# Altium PCB 智能马桶综合检测台V1.0.PcbDoc (part 4 of 10)
Units mil, origin at the board's own origin, x right, y up, seen from the top; angles counter-clockwise.
Board outline 8070.87 x 6102.36 mil, 2 copper layers (Top Layer, Bottom Layer); 199 components, 169 nets, 738 pads, 77 vias.
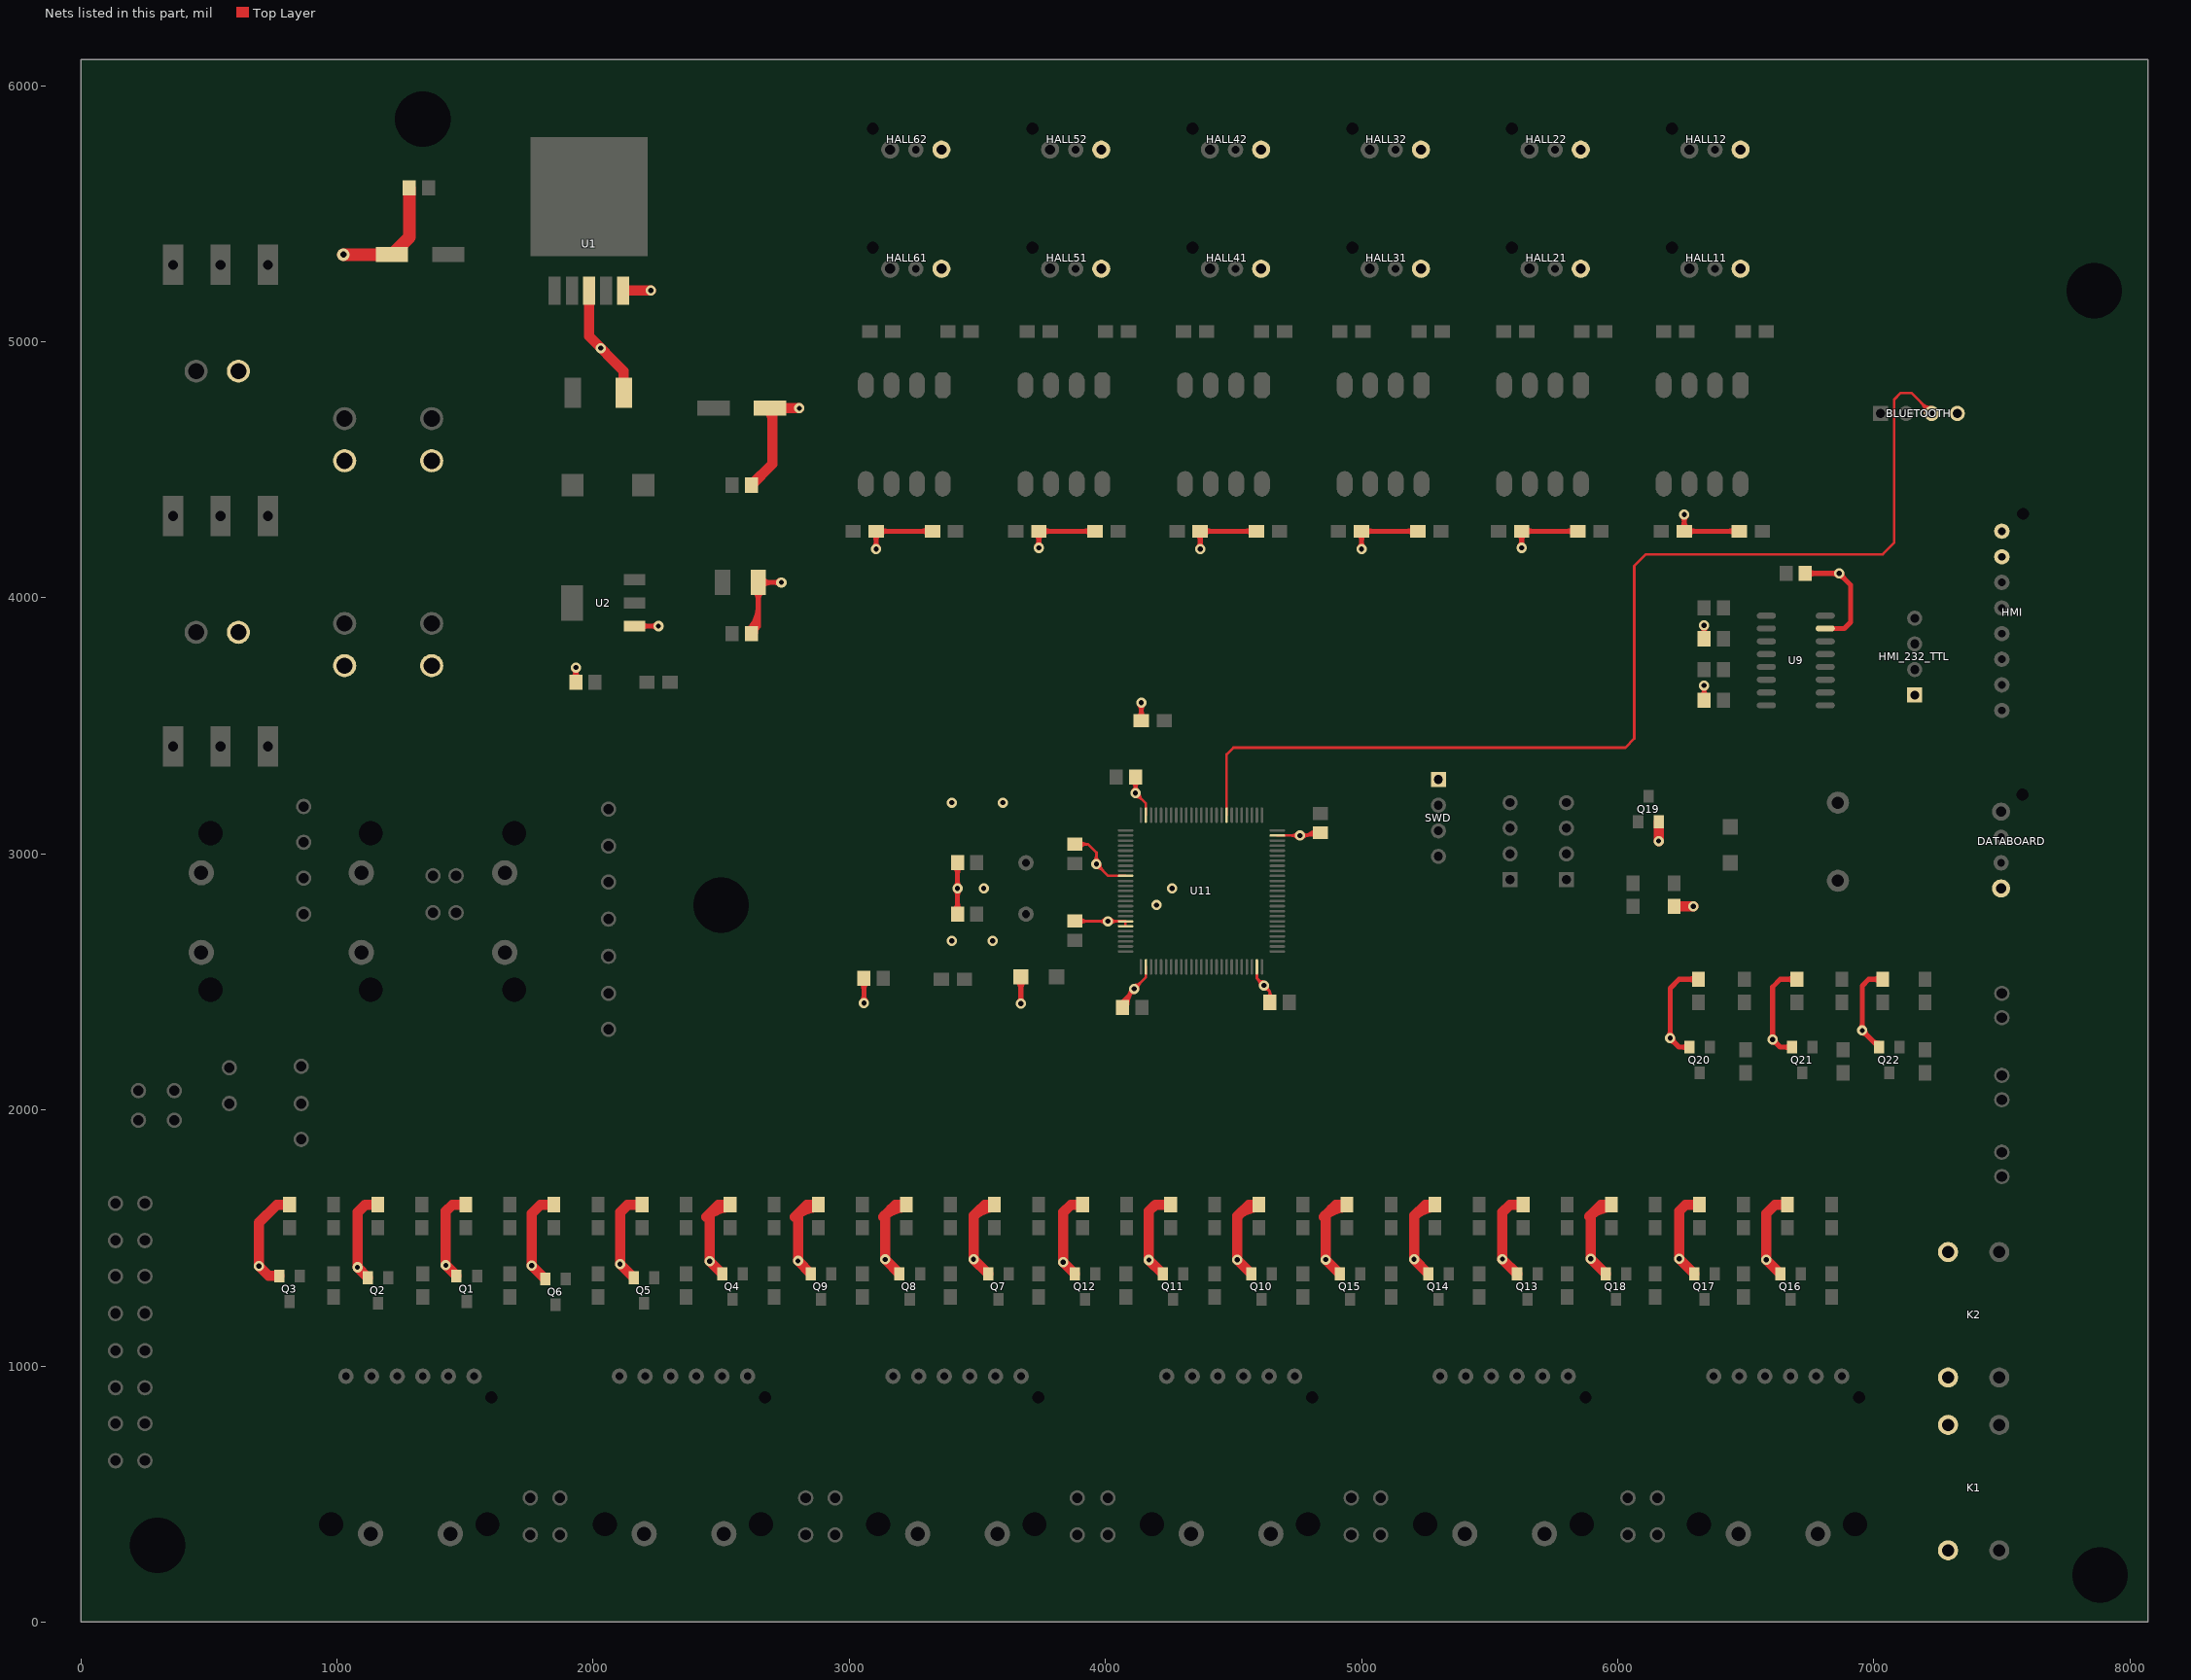
[diagram p4: the nets of this part, all layers, seen from the top]

## Via types
v1: diameter 40, hole 20, Top Layer to Bottom Layer, 68 vias
v2: diameter 50, hole 25, Top Layer to Bottom Layer, 9 vias

## Nets (pads, with @x,y where several pads share a name; then routed paths per layer and width w, separated by ;. In a path a pad name is that pad's centre, name@x,y a point inside that pad or via, vN(x,y) a via of type N, cw(c..) or ccw(c..) an arc to the next point about the centre after c; other vN are vias at no path point) (continued)
AGND: (continued)
  Top Layer w20: D2.2@1932.6,3670 v1(1932.6,3727.6) ; U2.1@2162.05,3889.45 v1(2255,3889.45) ; C5.1@2617.4,3860 2645,3887.6 ; v1(2735,4060) C4.2@2645,4060 2645,3887.6 ; v1(3057.6,2417.6) C19.2@3057.6,2514.01 ; v1(3105,4190) R81.1@3105,4260 R80.1@3325,4260 ; C18.1@3422.6,2765 C17.1@3422.6,2965 ; v1(3670,2415) C21.2@3670,2520 ; v1(3740,4195) R77.1@3740,4260 R76.1@3960,4260 ; R91.2@4140,3520 v1(4140,3590) ; v1(4370,4190) R73.1@4370,4260 R72.1@4590,4260 ; v1(5000,4190) R69.1@5000,4260 R68.1@5220,4260 ; v1(5625,4195) R65.1@5625,4260 R64.1@5845,4260 ; v1(6260,4325) R61.1@6260,4260 R60.1@6475,4260 ; Q20.2@6280,2245 6240,2245 v1(6205,2280) 6205,2475 6240,2510 R83.2@6315,2510 ; Q21.2@6680,2245 6635,2245 v1(6605,2275) 6605,2480 6635,2510 R86.2@6700,2510 ; C9.1@6732.4,4095 v1(6865,4095) 6910,4050 6910,3905 6885,3880 U9.15@6789.49,3880 ; Q22.2@7020,2245 v1(6955,2310) 6955,2485 6980,2510 R89.2@7035,2510 ; D2.2@1921.57,3684.96 ccw(c1894.96,3711.58) v1@1932.6,3711.58 ; D2.2@1921.57,3684.96 ccw(c1894.96,3711.58) v1@1932.6,3711.58 ; D2.2@1921.57,3684.96 ccw(c1894.96,3711.58) v1@1932.6,3711.58 ; D2.2@1921.57,3684.96 ccw(c1894.96,3711.58) v1@1932.6,3711.58 ; v1@1925.53,3720.53 cw(c1908.46,3703.46) 1932.6,3703.46 ; v1@1925.53,3720.53 cw(c1908.46,3703.46) 1932.6,3703.46 ; v1@1925.53,3720.53 cw(c1908.46,3703.46) 1932.6,3703.46 ; v1@1925.53,3720.53 cw(c1908.46,3703.46) 1932.6,3703.46 ; 1932.6,3703.46 cw(c1956.74,3703.46) v1@1939.67,3720.53 ; 1932.6,3703.46 cw(c1956.74,3703.46) v1@1939.67,3720.53 ; 1932.6,3703.46 cw(c1956.74,3703.46) v1@1939.67,3720.53 ; 1932.6,3703.46 cw(c1956.74,3703.46) v1@1939.67,3720.53 ; v1@1932.6,3711.58 ccw(c1970.24,3711.58) D2.2@1943.62,3684.96 ; v1@1932.6,3711.58 ccw(c1970.24,3711.58) D2.2@1943.62,3684.96 ; v1@1932.6,3711.58 ccw(c1970.24,3711.58) D2.2@1943.62,3684.96 ; v1@1932.6,3711.58 ccw(c1970.24,3711.58) D2.2@1943.62,3684.96 ; U2.1@2190.96,3881.21 cw(c2210.85,3861.31) 2210.85,3889.45 ; U2.1@2190.96,3881.21 cw(c2210.85,3861.31) 2210.85,3889.45 ; U2.1@2190.96,3881.21 cw(c2210.85,3861.31) 2210.85,3889.45 ; U2.1@2190.96,3881.21 cw(c2210.85,3861.31) 2210.85,3889.45 ; U2.1@2190.96,3897.69 ccw(c2210.85,3917.58) 2210.85,3889.45 ; U2.1@2190.96,3897.69 ccw(c2210.85,3917.58) 2210.85,3889.45 ; U2.1@2190.96,3897.69 ccw(c2210.85,3917.58) 2210.85,3889.45 ; U2.1@2190.96,3897.69 ccw(c2210.85,3917.58) 2210.85,3889.45 ; 2230.86,3889.45 cw(c2230.86,3865.31) v1@2247.93,3882.38 ; 2230.86,3889.45 ccw(c2230.86,3913.59) v1@2247.93,3896.52 ; 2230.86,3889.45 cw(c2230.86,3865.31) v1@2247.93,3882.38 ; 2230.86,3889.45 ccw(c2230.86,3913.59) v1@2247.93,3896.52 ; 2230.86,3889.45 cw(c2230.86,3865.31) v1@2247.93,3882.38 ; 2230.86,3889.45 ccw(c2230.86,3913.59) v1@2247.93,3896.52 ; 2230.86,3889.45 ccw(c2230.86,3913.59) v1@2247.93,3896.52 ; 2230.86,3889.45 cw(c2230.86,3865.31) v1@2247.93,3882.38 ; C5.1@2606.38,3874.96 ccw(c2513.13,3968.2) 2645,3968.2 ; C5.1@2606.38,3874.96 ccw(c2513.13,3968.2) 2645,3968.2 ; C5.1@2606.38,3874.96 ccw(c2513.13,3968.2) 2645,3968.2 ; C5.1@2606.38,3874.96 ccw(c2513.13,3968.2) 2645,3968.2 ; C5.1@2606.38,3874.96 ccw(c2513.13,3968.2) 2645,3968.2 ; C5.1@2619.78,3879.35 ccw(c2624.25,3908.35) 2645,3887.6 ; C5.1@2619.78,3879.35 ccw(c2624.25,3908.35) 2645,3887.6 ; C5.1@2619.78,3879.35 ccw(c2624.25,3908.35) 2645,3887.6 ; C5.1@2619.78,3879.35 ccw(c2624.25,3908.35) 2645,3887.6 ; C5.1@2619.78,3879.35 ccw(c2624.25,3908.35) 2645,3887.6 ; C5.1@2620.52,3860.82 ccw(c2561.42,3919.92) 2645,3919.92 ; C5.1@2620.52,3860.82 ccw(c2561.42,3919.92) 2645,3919.92 ; C5.1@2620.52,3860.82 ccw(c2561.42,3919.92) 2645,3919.92 ; C5.1@2620.52,3860.82 ccw(c2561.42,3919.92) 2645,3919.92 ; C5.1@2620.52,3860.82 ccw(c2561.42,3919.92) 2645,3919.92 ; C4.2@2630.86,4025.86 cw(c2596.72,3991.72) 2645,3991.72 ; C4.2@2630.86,4025.86 cw(c2596.72,3991.72) 2645,3991.72 ; C4.2@2630.86,4025.86 cw(c2596.72,3991.72) 2645,3991.72 ; C4.2@2630.86,4025.86 cw(c2596.72,3991.72) 2645,3991.72 ; C4.2@2630.86,4025.86 cw(c2596.72,3991.72) 2645,3991.72 ; C5.1@2632.99,3863.94 cw(c2661.13,3863.94) C5.1@2641.23,3883.83 ; C5.1@2632.99,3863.94 cw(c2661.13,3863.94) C5.1@2641.23,3883.83 ; C5.1@2632.99,3863.94 cw(c2661.13,3863.94) C5.1@2641.23,3883.83 ; C5.1@2632.99,3863.94 cw(c2661.13,3863.94) C5.1@2641.23,3883.83 ; C5.1@2632.99,3863.94 cw(c2661.13,3863.94) C5.1@2641.23,3883.83 ; 2645,3991.72 cw(c2693.28,3991.72) C4.2@2659.14,4025.86 ; 2645,3991.72 cw(c2693.28,3991.72) C4.2@2659.14,4025.86 ; 2645,3991.72 cw(c2693.28,3991.72) C4.2@2659.14,4025.86 ; 2645,3991.72 cw(c2693.28,3991.72) C4.2@2659.14,4025.86 ; 2645,3991.72 cw(c2693.28,3991.72) C4.2@2659.14,4025.86 ; C4.2@2659.14,4045.86 cw(c2693.28,4011.72) 2693.28,4060 ; C4.2@2659.14,4045.86 cw(c2693.28,4011.72) 2693.28,4060 ; C4.2@2659.14,4045.86 cw(c2693.28,4011.72) 2693.28,4060 ; C4.2@2659.14,4045.86 cw(c2693.28,4011.72) 2693.28,4060 ; C4.2@2659.14,4045.86 cw(c2693.28,4011.72) 2693.28,4060 ; C4.2@2659.14,4074.14 ccw(c2693.28,4108.28) 2693.28,4060 ; C4.2@2659.14,4074.14 ccw(c2693.28,4108.28) 2693.28,4060 ; C4.2@2659.14,4074.14 ccw(c2693.28,4108.28) 2693.28,4060 ; C4.2@2659.14,4074.14 ccw(c2693.28,4108.28) 2693.28,4060 ; C4.2@2659.14,4074.14 ccw(c2693.28,4108.28) 2693.28,4060 ; 2710.86,4060 cw(c2710.86,4035.86) v1@2727.93,4052.93 ; 2710.86,4060 ccw(c2710.86,4084.14) v1@2727.93,4067.07 ; 2710.86,4060 cw(c2710.86,4035.86) v1@2727.93,4052.93 ; 2710.86,4060 ccw(c2710.86,4084.14) v1@2727.93,4067.07 ; 2710.86,4060 cw(c2710.86,4035.86) v1@2727.93,4052.93 ; 2710.86,4060 ccw(c2710.86,4084.14) v1@2727.93,4067.07 ; 2710.86,4060 cw(c2710.86,4035.86) v1@2727.93,4052.93 ; 2710.86,4060 ccw(c2710.86,4084.14) v1@2727.93,4067.07 ; 2710.86,4060 ccw(c2710.86,4084.14) v1@2727.93,4067.07 ; 2710.86,4060 cw(c2710.86,4035.86) v1@2727.93,4052.93 ; C19.2@3046.57,2499.04 cw(c3019.96,2472.43) 3057.6,2472.43 ; C19.2@3046.57,2499.04 cw(c3019.96,2472.43) 3057.6,2472.43 ; C19.2@3046.57,2499.04 cw(c3019.96,2472.43) 3057.6,2472.43 ; C19.2@3046.57,2499.04 cw(c3019.96,2472.43) 3057.6,2472.43 ; C19.2@3046.57,2499.04 cw(c3019.96,2472.43) 3057.6,2472.43 ; C19.2@3046.57,2499.04 cw(c3019.96,2472.43) 3057.6,2472.43 ; v1@3050.53,2424.67 ccw(c3033.46,2441.74) 3057.6,2441.74 ; v1@3050.53,2424.67 ccw(c3033.46,2441.74) 3057.6,2441.74 ; v1@3050.53,2424.67 ccw(c3033.46,2441.74) 3057.6,2441.74 ; v1@3050.53,2424.67 ccw(c3033.46,2441.74) 3057.6,2441.74 ; v1@3050.53,2424.67 ccw(c3033.46,2441.74) 3057.6,2441.74 ; v1@3050.53,2424.67 ccw(c3033.46,2441.74) 3057.6,2441.74 ; 3057.6,2441.74 ccw(c3081.74,2441.74) v1@3064.67,2424.67 ; 3057.6,2441.74 ccw(c3081.74,2441.74) v1@3064.67,2424.67 ; 3057.6,2441.74 ccw(c3081.74,2441.74) v1@3064.67,2424.67 ; 3057.6,2441.74 ccw(c3081.74,2441.74) v1@3064.67,2424.67 ; 3057.6,2441.74 ccw(c3081.74,2441.74) v1@3064.67,2424.67 ; 3057.6,2441.74 ccw(c3081.74,2441.74) v1@3064.67,2424.67 ; 3057.6,2472.43 cw(c3095.24,2472.43) C19.2@3068.62,2499.04 ; 3057.6,2472.43 cw(c3095.24,2472.43) C19.2@3068.62,2499.04 ; 3057.6,2472.43 cw(c3095.24,2472.43) C19.2@3068.62,2499.04 ; 3057.6,2472.43 cw(c3095.24,2472.43) C19.2@3068.62,2499.04 ; 3057.6,2472.43 cw(c3095.24,2472.43) C19.2@3068.62,2499.04 ; 3057.6,2472.43 cw(c3095.24,2472.43) C19.2@3068.62,2499.04 ; R81.1@3094.39,4249.39 cw(c3068.79,4223.79) 3105,4223.79 ; R81.1@3094.39,4249.39 cw(c3068.79,4223.79) 3105,4223.79 ; R81.1@3094.39,4249.39 cw(c3068.79,4223.79) 3105,4223.79 ; R81.1@3094.39,4249.39 cw(c3068.79,4223.79) 3105,4223.79 ; R81.1@3094.39,4249.39 cw(c3068.79,4223.79) 3105,4223.79 ; v1@3097.93,4197.07 ccw(c3080.86,4214.14) 3105,4214.14 ; v1@3097.93,4197.07 ccw(c3080.86,4214.14) 3105,4214.14 ; v1@3097.93,4197.07 ccw(c3080.86,4214.14) 3105,4214.14 ; v1@3097.93,4197.07 ccw(c3080.86,4214.14) 3105,4214.14 ; v1@3097.93,4197.07 ccw(c3080.86,4214.14) 3105,4214.14 ; 3105,4214.14 ccw(c3129.14,4214.14) v1@3112.07,4197.07 ; 3105,4214.14 ccw(c3129.14,4214.14) v1@3112.07,4197.07 ; 3105,4214.14 ccw(c3129.14,4214.14) v1@3112.07,4197.07 ; 3105,4214.14 ccw(c3129.14,4214.14) v1@3112.07,4197.07 ; 3105,4214.14 ccw(c3129.14,4214.14) v1@3112.07,4197.07 ; 3105,4223.79 cw(c3141.21,4223.79) R81.1@3115.61,4249.39 ; 3105,4223.79 cw(c3141.21,4223.79) R81.1@3115.61,4249.39 ; 3105,4223.79 cw(c3141.21,4223.79) R81.1@3115.61,4249.39 ; 3105,4223.79 cw(c3141.21,4223.79) R81.1@3115.61,4249.39 ; 3105,4223.79 cw(c3141.21,4223.79) R81.1@3115.61,4249.39 ; R81.1@3120.61,4249.39 cw(c3146.21,4223.79) 3146.21,4260 ; R81.1@3120.61,4249.39 cw(c3146.21,4223.79) 3146.21,4260 ; R81.1@3120.61,4249.39 cw(c3146.21,4223.79) 3146.21,4260 ; R81.1@3120.61,4249.39 cw(c3146.21,4223.79) 3146.21,4260 ; R81.1@3120.61,4249.39 cw(c3146.21,4223.79) 3146.21,4260 ; R81.1@3120.61,4270.61 ccw(c3146.21,4296.21) 3146.21,4260 ; R81.1@3120.61,4270.61 ccw(c3146.21,4296.21) 3146.21,4260 ; R81.1@3120.61,4270.61 ccw(c3146.21,4296.21) 3146.21,4260 ; R81.1@3120.61,4270.61 ccw(c3146.21,4296.21) 3146.21,4260 ; R81.1@3120.61,4270.61 ccw(c3146.21,4296.21) 3146.21,4260 ; 3283.79,4260 cw(c3283.79,4223.79) R80.1@3309.39,4249.39 ; 3283.79,4260 ccw(c3283.79,4296.21) R80.1@3309.39,4270.61 ; 3283.79,4260 cw(c3283.79,4223.79) R80.1@3309.39,4249.39 ; 3283.79,4260 ccw(c3283.79,4296.21) R80.1@3309.39,4270.61 ; 3283.79,4260 cw(c3283.79,4223.79) R80.1@3309.39,4249.39 ; 3283.79,4260 ccw(c3283.79,4296.21) R80.1@3309.39,4270.61 ; 3283.79,4260 cw(c3283.79,4223.79) R80.1@3309.39,4249.39 ; 3283.79,4260 ccw(c3283.79,4296.21) R80.1@3309.39,4270.61 ; 3283.79,4260 ccw(c3283.79,4296.21) R80.1@3309.39,4270.61 ; 3283.79,4260 cw(c3283.79,4223.79) R80.1@3309.39,4249.39 ; C18.1@3411.57,2779.96 ccw(c3384.96,2806.58) 3422.6,2806.58 ; C18.1@3411.57,2779.96 ccw(c3384.96,2806.58) 3422.6,2806.58 ; C18.1@3411.57,2779.96 ccw(c3384.96,2806.58) 3422.6,2806.58 ; C18.1@3411.57,2779.96 ccw(c3384.96,2806.58) 3422.6,2806.58 ; C18.1@3411.57,2779.96 ccw(c3384.96,2806.58) 3422.6,2806.58 ; C18.1@3411.57,2779.96 ccw(c3384.96,2806.58) 3422.6,2806.58 ; C17.1@3411.57,2950.04 cw(c3384.96,2923.42) 3422.6,2923.42 ; C17.1@3411.57,2950.04 cw(c3384.96,2923.42) 3422.6,2923.42 ; C17.1@3411.57,2950.04 cw(c3384.96,2923.42) 3422.6,2923.42 ; C17.1@3411.57,2950.04 cw(c3384.96,2923.42) 3422.6,2923.42 ; C17.1@3411.57,2950.04 cw(c3384.96,2923.42) 3422.6,2923.42 ; C17.1@3411.57,2950.04 cw(c3384.96,2923.42) 3422.6,2923.42 ; v1@3415.53,2857.93 cw(c3398.46,2840.86) 3422.6,2840.86 ; v1@3415.53,2857.93 cw(c3398.46,2840.86) 3422.6,2840.86 ; v1@3415.53,2857.93 cw(c3398.46,2840.86) 3422.6,2840.86 ; v1@3415.53,2857.93 cw(c3398.46,2840.86) 3422.6,2840.86 ; v1@3415.53,2857.93 cw(c3398.46,2840.86) 3422.6,2840.86 ; v1@3415.53,2857.93 cw(c3398.46,2840.86) 3422.6,2840.86 ; v1@3415.53,2872.07 ccw(c3398.46,2889.14) 3422.6,2889.14 ; v1@3415.53,2872.07 ccw(c3398.46,2889.14) 3422.6,2889.14 ; v1@3415.53,2872.07 ccw(c3398.46,2889.14) 3422.6,2889.14 ; v1@3415.53,2872.07 ccw(c3398.46,2889.14) 3422.6,2889.14 ; v1@3415.53,2872.07 ccw(c3398.46,2889.14) 3422.6,2889.14 ; v1@3415.53,2872.07 ccw(c3398.46,2889.14) 3422.6,2889.14 ; 3422.6,2806.58 ccw(c3460.24,2806.58) C18.1@3433.62,2779.96 ; 3422.6,2806.58 ccw(c3460.24,2806.58) C18.1@3433.62,2779.96 ; 3422.6,2806.58 ccw(c3460.24,2806.58) C18.1@3433.62,2779.96 ; 3422.6,2806.58 ccw(c3460.24,2806.58) C18.1@3433.62,2779.96 ; 3422.6,2806.58 ccw(c3460.24,2806.58) C18.1@3433.62,2779.96 ; 3422.6,2806.58 ccw(c3460.24,2806.58) C18.1@3433.62,2779.96 ; 3422.6,2840.86 cw(c3446.74,2840.86) v1@3429.67,2857.93 ; 3422.6,2840.86 cw(c3446.74,2840.86) v1@3429.67,2857.93 ; 3422.6,2840.86 cw(c3446.74,2840.86) v1@3429.67,2857.93 ; 3422.6,2840.86 cw(c3446.74,2840.86) v1@3429.67,2857.93 ; 3422.6,2840.86 cw(c3446.74,2840.86) v1@3429.67,2857.93 ; 3422.6,2840.86 cw(c3446.74,2840.86) v1@3429.67,2857.93 ; 3422.6,2889.14 ccw(c3446.74,2889.14) v1@3429.67,2872.07 ; 3422.6,2889.14 ccw(c3446.74,2889.14) v1@3429.67,2872.07 ; 3422.6,2889.14 ccw(c3446.74,2889.14) v1@3429.67,2872.07 ; 3422.6,2889.14 ccw(c3446.74,2889.14) v1@3429.67,2872.07 ; 3422.6,2889.14 ccw(c3446.74,2889.14) v1@3429.67,2872.07 ; 3422.6,2889.14 ccw(c3446.74,2889.14) v1@3429.67,2872.07 ; 3422.6,2923.42 cw(c3460.24,2923.42) C17.1@3433.62,2950.04 ; 3422.6,2923.42 cw(c3460.24,2923.42) C17.1@3433.62,2950.04 ; 3422.6,2923.42 cw(c3460.24,2923.42) C17.1@3433.62,2950.04 ; 3422.6,2923.42 cw(c3460.24,2923.42) C17.1@3433.62,2950.04 ; 3422.6,2923.42 cw(c3460.24,2923.42) C17.1@3433.62,2950.04 ; 3422.6,2923.42 cw(c3460.24,2923.42) C17.1@3433.62,2950.04 ; C21.2@3655.86,2505.86 cw(c3621.72,2471.72) 3670,2471.72 ; C21.2@3655.86,2505.86 cw(c3621.72,2471.72) 3670,2471.72 ; C21.2@3655.86,2505.86 cw(c3621.72,2471.72) 3670,2471.72 ; C21.2@3655.86,2505.86 cw(c3621.72,2471.72) 3670,2471.72 ; C21.2@3655.86,2505.86 cw(c3621.72,2471.72) 3670,2471.72 ; C21.2@3655.86,2505.86 cw(c3621.72,2471.72) 3670,2471.72 ; v1@3662.93,2422.07 ccw(c3645.86,2439.14) 3670,2439.14 ; v1@3662.93,2422.07 ccw(c3645.86,2439.14) 3670,2439.14 ; v1@3662.93,2422.07 ccw(c3645.86,2439.14) 3670,2439.14 ; v1@3662.93,2422.07 ccw(c3645.86,2439.14) 3670,2439.14 ; v1@3662.93,2422.07 ccw(c3645.86,2439.14) 3670,2439.14 ; v1@3662.93,2422.07 ccw(c3645.86,2439.14) 3670,2439.14 ; 3670,2439.14 ccw(c3694.14,2439.14) v1@3677.07,2422.07 ; 3670,2439.14 ccw(c3694.14,2439.14) v1@3677.07,2422.07 ; 3670,2439.14 ccw(c3694.14,2439.14) v1@3677.07,2422.07 ; 3670,2439.14 ccw(c3694.14,2439.14) v1@3677.07,2422.07 ; 3670,2439.14 ccw(c3694.14,2439.14) v1@3677.07,2422.07 ; 3670,2439.14 ccw(c3694.14,2439.14) v1@3677.07,2422.07 ; 3670,2471.72 cw(c3718.28,2471.72) C21.2@3684.14,2505.86 ; 3670,2471.72 cw(c3718.28,2471.72) C21.2@3684.14,2505.86 ; 3670,2471.72 cw(c3718.28,2471.72) C21.2@3684.14,2505.86 ; 3670,2471.72 cw(c3718.28,2471.72) C21.2@3684.14,2505.86 ; 3670,2471.72 cw(c3718.28,2471.72) C21.2@3684.14,2505.86 ; 3670,2471.72 cw(c3718.28,2471.72) C21.2@3684.14,2505.86 ; R77.1@3729.39,4249.39 cw(c3703.79,4223.79) 3740,4223.79 ; R77.1@3729.39,4249.39 cw(c3703.79,4223.79) 3740,4223.79 ; R77.1@3729.39,4249.39 cw(c3703.79,4223.79) 3740,4223.79 ; R77.1@3729.39,4249.39 cw(c3703.79,4223.79) 3740,4223.79 ; R77.1@3729.39,4249.39 cw(c3703.79,4223.79) 3740,4223.79 ; v1@3732.93,4202.07 ccw(c3715.86,4219.14) 3740,4219.14 ; v1@3732.93,4202.07 ccw(c3715.86,4219.14) 3740,4219.14 ; v1@3732.93,4202.07 ccw(c3715.86,4219.14) 3740,4219.14 ; v1@3732.93,4202.07 ccw(c3715.86,4219.14) 3740,4219.14 ; v1@3732.93,4202.07 ccw(c3715.86,4219.14) 3740,4219.14 ; 3740,4219.14 ccw(c3764.14,4219.14) v1@3747.07,4202.07 ; 3740,4219.14 ccw(c3764.14,4219.14) v1@3747.07,4202.07 ; 3740,4219.14 ccw(c3764.14,4219.14) v1@3747.07,4202.07 ; 3740,4219.14 ccw(c3764.14,4219.14) v1@3747.07,4202.07 ; 3740,4219.14 ccw(c3764.14,4219.14) v1@3747.07,4202.07 ; 3740,4223.79 cw(c3776.21,4223.79) R77.1@3750.61,4249.39 ; 3740,4223.79 cw(c3776.21,4223.79) R77.1@3750.61,4249.39 ; 3740,4223.79 cw(c3776.21,4223.79) R77.1@3750.61,4249.39 ; 3740,4223.79 cw(c3776.21,4223.79) R77.1@3750.61,4249.39 ; 3740,4223.79 cw(c3776.21,4223.79) R77.1@3750.61,4249.39 ; R77.1@3755.61,4249.39 cw(c3781.21,4223.79) 3781.21,4260 ; R77.1@3755.61,4249.39 cw(c3781.21,4223.79) 3781.21,4260 ; R77.1@3755.61,4249.39 cw(c3781.21,4223.79) 3781.21,4260 ; R77.1@3755.61,4249.39 cw(c3781.21,4223.79) 3781.21,4260 ; R77.1@3755.61,4249.39 cw(c3781.21,4223.79) 3781.21,4260 ; R77.1@3755.61,4270.61 ccw(c3781.21,4296.21) 3781.21,4260 ; R77.1@3755.61,4270.61 ccw(c3781.21,4296.21) 3781.21,4260 ; R77.1@3755.61,4270.61 ccw(c3781.21,4296.21) 3781.21,4260 ; R77.1@3755.61,4270.61 ccw(c3781.21,4296.21) 3781.21,4260 ; R77.1@3755.61,4270.61 ccw(c3781.21,4296.21) 3781.21,4260 ; 3918.79,4260 cw(c3918.79,4223.79) R76.1@3944.39,4249.39 ; 3918.79,4260 ccw(c3918.79,4296.21) R76.1@3944.39,4270.61 ; 3918.79,4260 cw(c3918.79,4223.79) R76.1@3944.39,4249.39 ; 3918.79,4260 ccw(c3918.79,4296.21) R76.1@3944.39,4270.61 ; 3918.79,4260 cw(c3918.79,4223.79) R76.1@3944.39,4249.39 ; 3918.79,4260 ccw(c3918.79,4296.21) R76.1@3944.39,4270.61 ; 3918.79,4260 cw(c3918.79,4223.79) R76.1@3944.39,4249.39 ; 3918.79,4260 ccw(c3918.79,4296.21) R76.1@3944.39,4270.61 ; 3918.79,4260 ccw(c3918.79,4296.21) R76.1@3944.39,4270.61 ; 3918.79,4260 cw(c3918.79,4223.79) R76.1@3944.39,4249.39 ; R91.2@4129.39,3530.61 ccw(c4103.79,3556.21) 4140,3556.21 ; R91.2@4129.39,3530.61 ccw(c4103.79,3556.21) 4140,3556.21 ; R91.2@4129.39,3530.61 ccw(c4103.79,3556.21) 4140,3556.21 ; R91.2@4129.39,3530.61 ccw(c4103.79,3556.21) 4140,3556.21 ; R91.2@4129.39,3530.61 ccw(c4103.79,3556.21) 4140,3556.21 ; R91.2@4129.39,3530.61 ccw(c4103.79,3556.21) 4140,3556.21 ; v1@4132.93,3582.93 cw(c4115.86,3565.86) 4140,3565.86 ; v1@4132.93,3582.93 cw(c4115.86,3565.86) 4140,3565.86 ; v1@4132.93,3582.93 cw(c4115.86,3565.86) 4140,3565.86 ; v1@4132.93,3582.93 cw(c4115.86,3565.86) 4140,3565.86 ; v1@4132.93,3582.93 cw(c4115.86,3565.86) 4140,3565.86 ; v1@4132.93,3582.93 cw(c4115.86,3565.86) 4140,3565.86 ; 4140,3556.21 ccw(c4176.21,3556.21) R91.2@4150.61,3530.61 ; 4140,3556.21 ccw(c4176.21,3556.21) R91.2@4150.61,3530.61 ; 4140,3556.21 ccw(c4176.21,3556.21) R91.2@4150.61,3530.61 ; 4140,3556.21 ccw(c4176.21,3556.21) R91.2@4150.61,3530.61 ; 4140,3556.21 ccw(c4176.21,3556.21) R91.2@4150.61,3530.61 ; 4140,3556.21 ccw(c4176.21,3556.21) R91.2@4150.61,3530.61 ; 4140,3565.86 cw(c4164.14,3565.86) v1@4147.07,3582.93 ; 4140,3565.86 cw(c4164.14,3565.86) v1@4147.07,3582.93 ; 4140,3565.86 cw(c4164.14,3565.86) v1@4147.07,3582.93 ; 4140,3565.86 cw(c4164.14,3565.86) v1@4147.07,3582.93 ; 4140,3565.86 cw(c4164.14,3565.86) v1@4147.07,3582.93 ; 4140,3565.86 cw(c4164.14,3565.86) v1@4147.07,3582.93 ; R73.1@4359.39,4249.39 cw(c4333.79,4223.79) 4370,4223.79 ; R73.1@4359.39,4249.39 cw(c4333.79,4223.79) 4370,4223.79 ; R73.1@4359.39,4249.39 cw(c4333.79,4223.79) 4370,4223.79 ; R73.1@4359.39,4249.39 cw(c4333.79,4223.79) 4370,4223.79 ; R73.1@4359.39,4249.39 cw(c4333.79,4223.79) 4370,4223.79 ; v1@4362.93,4197.07 ccw(c4345.86,4214.14) 4370,4214.14 ; v1@4362.93,4197.07 ccw(c4345.86,4214.14) 4370,4214.14 ; v1@4362.93,4197.07 ccw(c4345.86,4214.14) 4370,4214.14 ; v1@4362.93,4197.07 ccw(c4345.86,4214.14) 4370,4214.14 ; v1@4362.93,4197.07 ccw(c4345.86,4214.14) 4370,4214.14 ; 4370,4214.14 ccw(c4394.14,4214.14) v1@4377.07,4197.07 ; 4370,4214.14 ccw(c4394.14,4214.14) v1@4377.07,4197.07 ; 4370,4214.14 ccw(c4394.14,4214.14) v1@4377.07,4197.07 ; 4370,4214.14 ccw(c4394.14,4214.14) v1@4377.07,4197.07 ; 4370,4214.14 ccw(c4394.14,4214.14) v1@4377.07,4197.07 ; 4370,4223.79 cw(c4406.21,4223.79) R73.1@4380.61,4249.39 ; 4370,4223.79 cw(c4406.21,4223.79) R73.1@4380.61,4249.39 ; 4370,4223.79 cw(c4406.21,4223.79) R73.1@4380.61,4249.39 ; 4370,4223.79 cw(c4406.21,4223.79) R73.1@4380.61,4249.39 ; 4370,4223.79 cw(c4406.21,4223.79) R73.1@4380.61,4249.39 ; R73.1@4385.61,4249.39 cw(c4411.21,4223.79) 4411.21,4260 ; R73.1@4385.61,4249.39 cw(c4411.21,4223.79) 4411.21,4260 ; R73.1@4385.61,4249.39 cw(c4411.21,4223.79) 4411.21,4260 ; R73.1@4385.61,4249.39 cw(c4411.21,4223.79) 4411.21,4260 ; R73.1@4385.61,4249.39 cw(c4411.21,4223.79) 4411.21,4260 ; R73.1@4385.61,4270.61 ccw(c4411.21,4296.21) 4411.21,4260 ; R73.1@4385.61,4270.61 ccw(c4411.21,4296.21) 4411.21,4260 ; R73.1@4385.61,4270.61 ccw(c4411.21,4296.21) 4411.21,4260 ; R73.1@4385.61,4270.61 ccw(c4411.21,4296.21) 4411.21,4260 ; R73.1@4385.61,4270.61 ccw(c4411.21,4296.21) 4411.21,4260 ; 4548.79,4260 cw(c4548.79,4223.79) R72.1@4574.39,4249.39 ; 4548.79,4260 ccw(c4548.79,4296.21) R72.1@4574.39,4270.61 ; 4548.79,4260 cw(c4548.79,4223.79) R72.1@4574.39,4249.39 ; 4548.79,4260 ccw(c4548.79,4296.21) R72.1@4574.39,4270.61 ; 4548.79,4260 cw(c4548.79,4223.79) R72.1@4574.39,4249.39 ; 4548.79,4260 ccw(c4548.79,4296.21) R72.1@4574.39,4270.61 ; 4548.79,4260 cw(c4548.79,4223.79) R72.1@4574.39,4249.39 ; 4548.79,4260 ccw(c4548.79,4296.21) R72.1@4574.39,4270.61 ; 4548.79,4260 ccw(c4548.79,4296.21) R72.1@4574.39,4270.61 ; 4548.79,4260 cw(c4548.79,4223.79) R72.1@4574.39,4249.39 ; R69.1@4989.39,4249.39 cw(c4963.79,4223.79) 5000,4223.79 ; R69.1@4989.39,4249.39 cw(c4963.79,4223.79) 5000,4223.79 ; R69.1@4989.39,4249.39 cw(c4963.79,4223.79) 5000,4223.79 ; R69.1@4989.39,4249.39 cw(c4963.79,4223.79) 5000,4223.79 ; R69.1@4989.39,4249.39 cw(c4963.79,4223.79) 5000,4223.79 ; v1@4992.93,4197.07 ccw(c4975.86,4214.14) 5000,4214.14 ; v1@4992.93,4197.07 ccw(c4975.86,4214.14) 5000,4214.14 